# Altium PCB Xavier_NX_Carrier_Board_v1.1.PcbDoc (part 1 of 6) (continued)
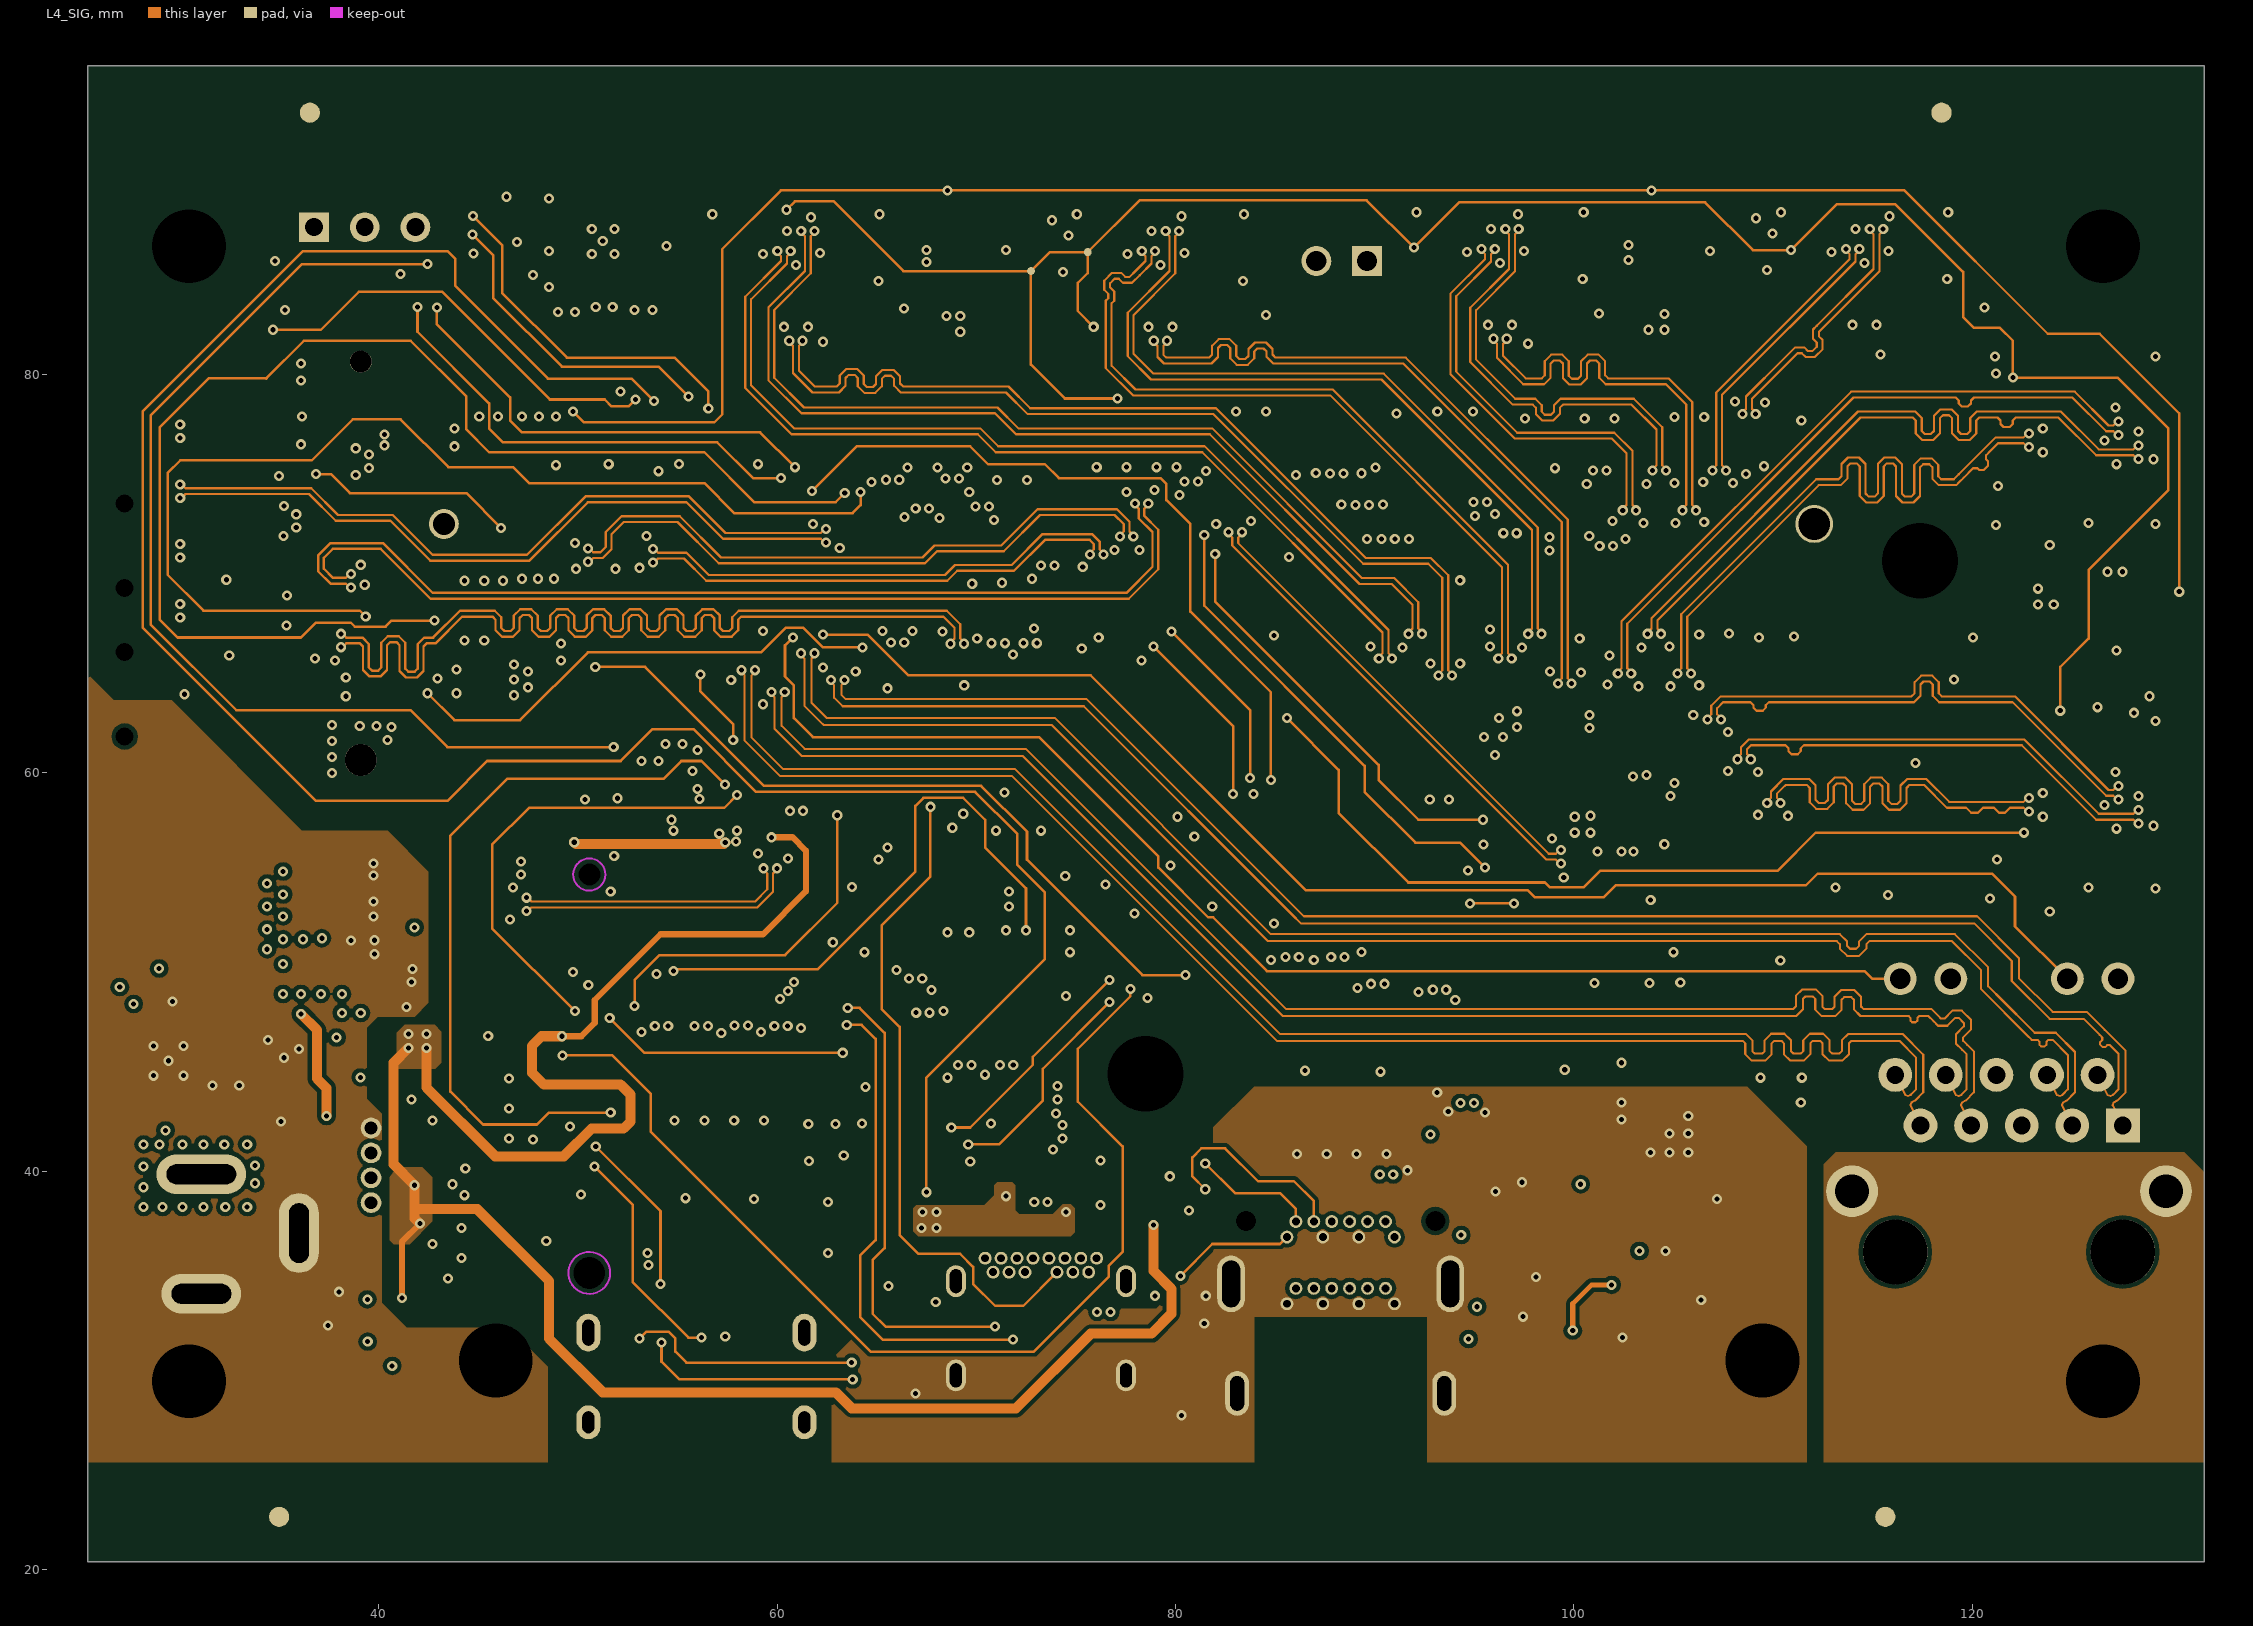
[diagram p4: L4_SIG]
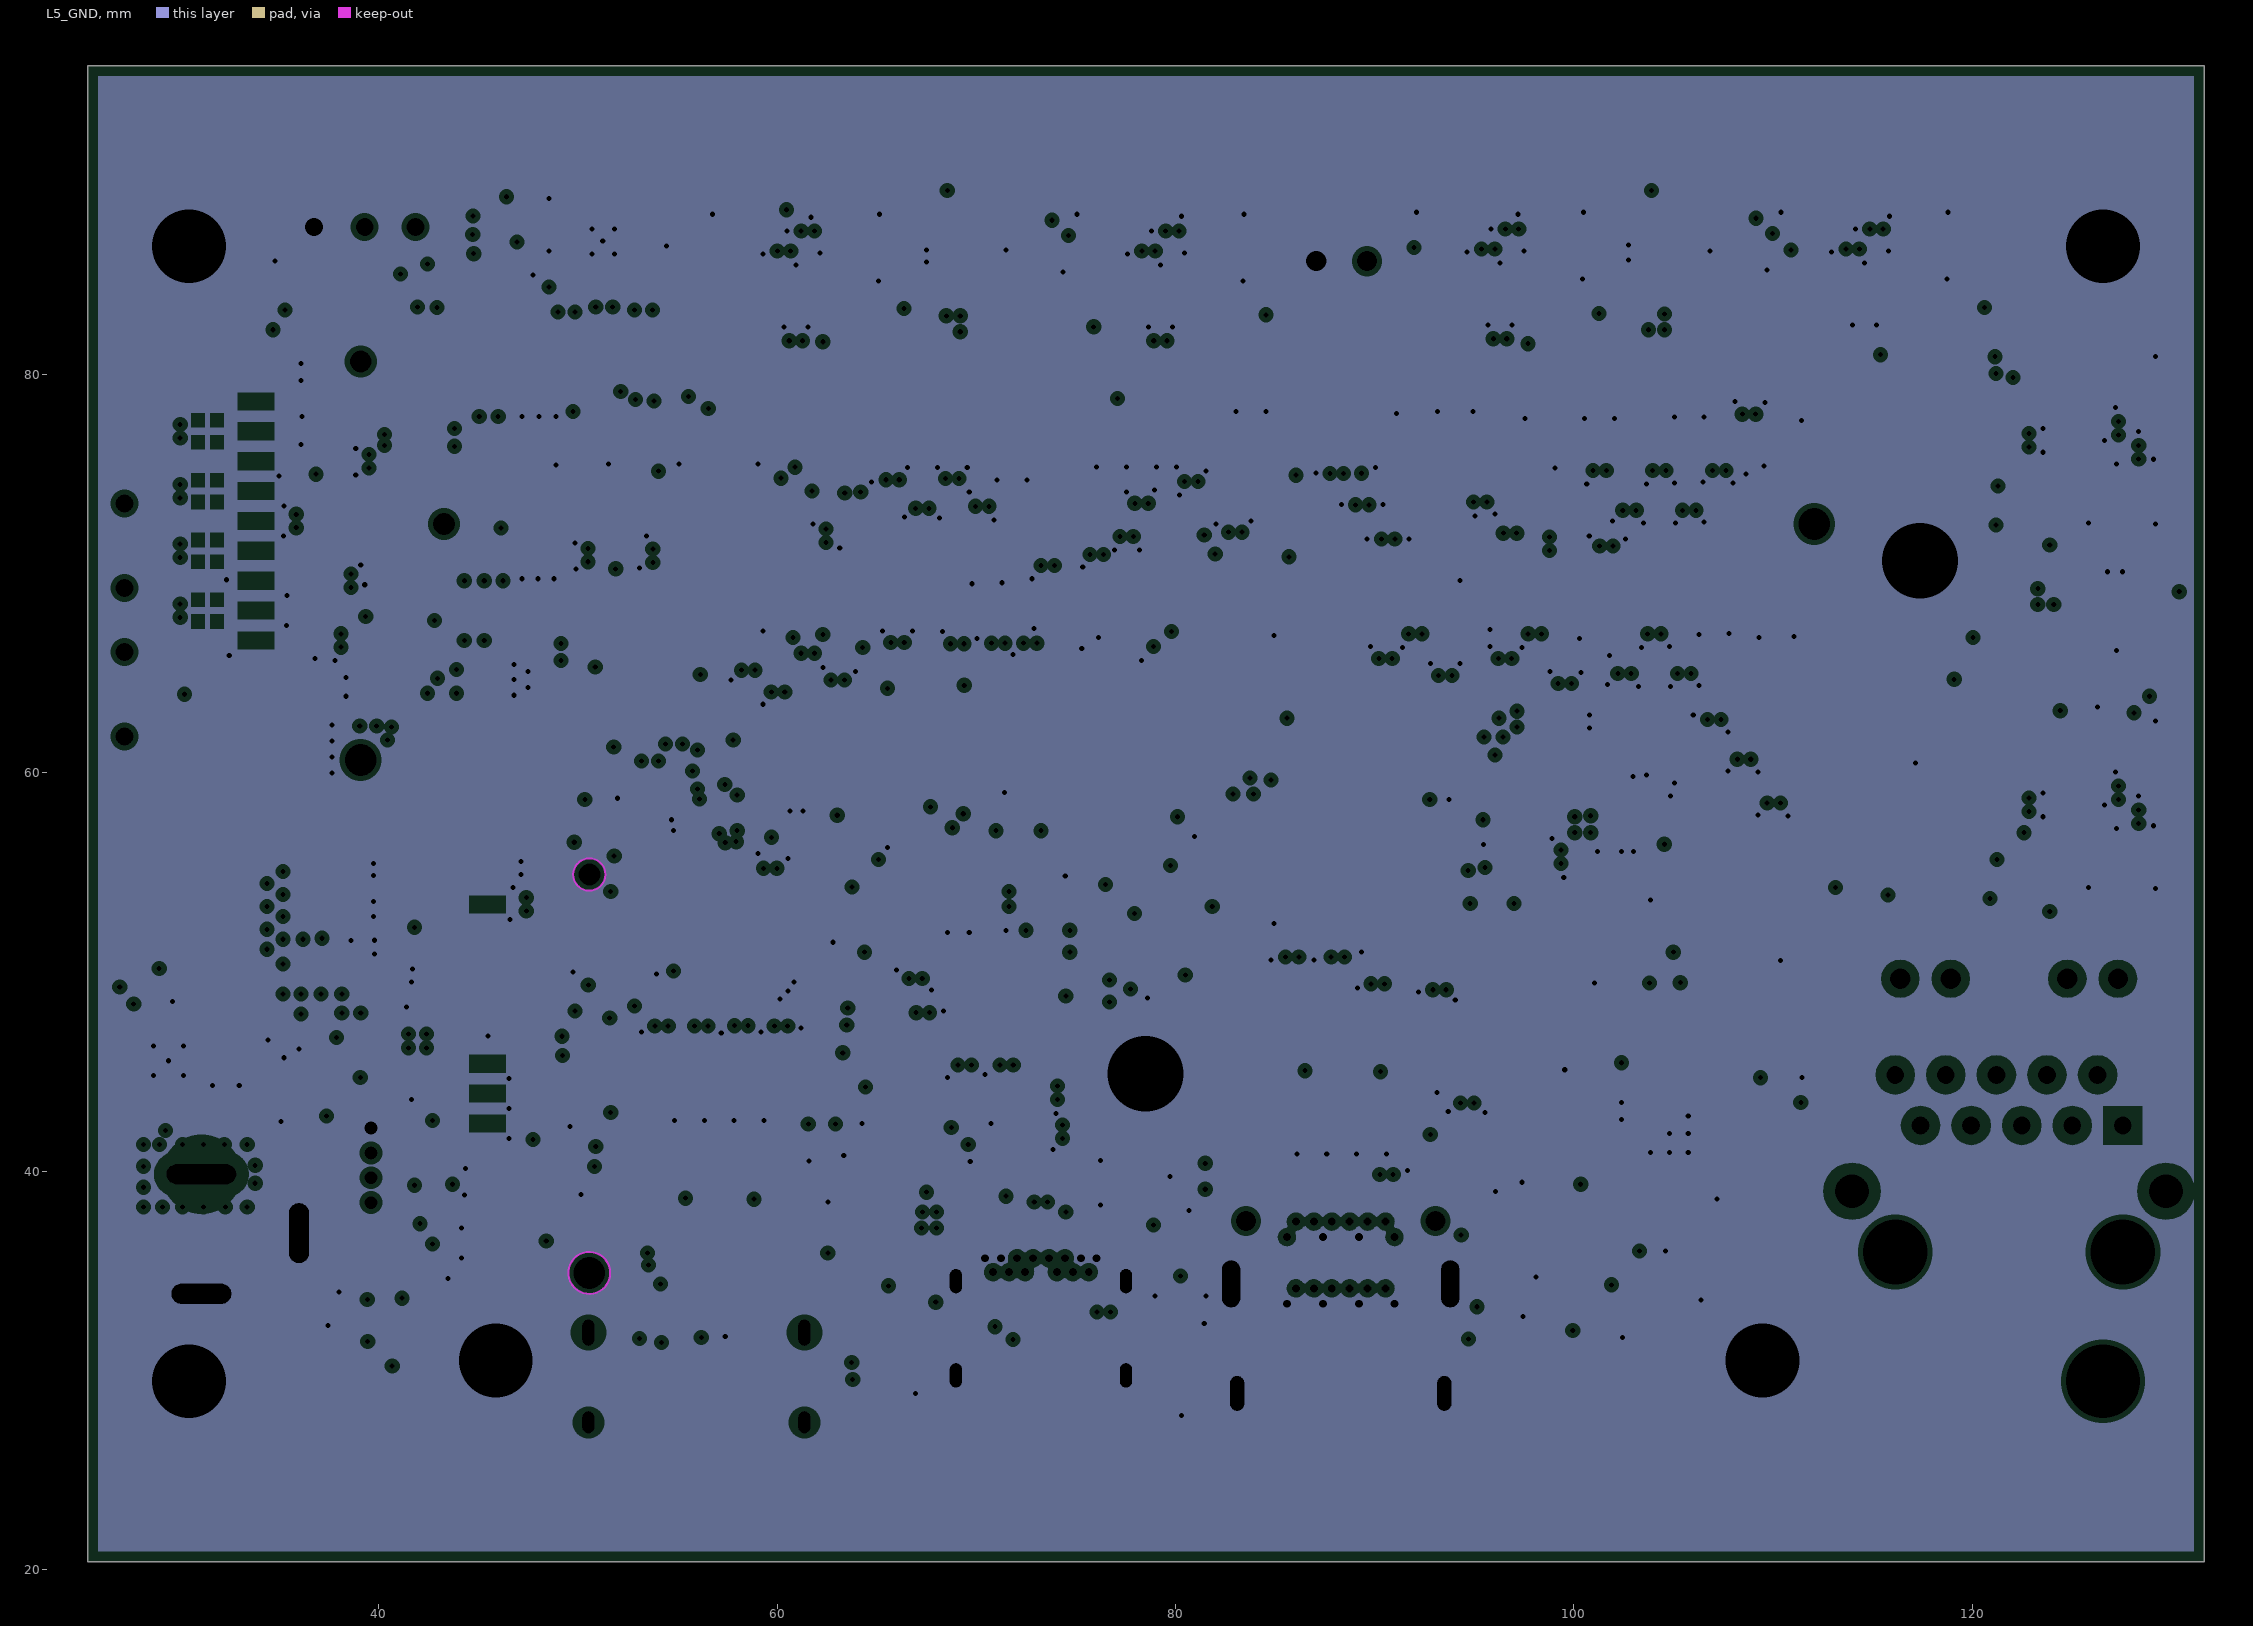
[diagram p5: L5_GND, clearances drawn from the general rule]
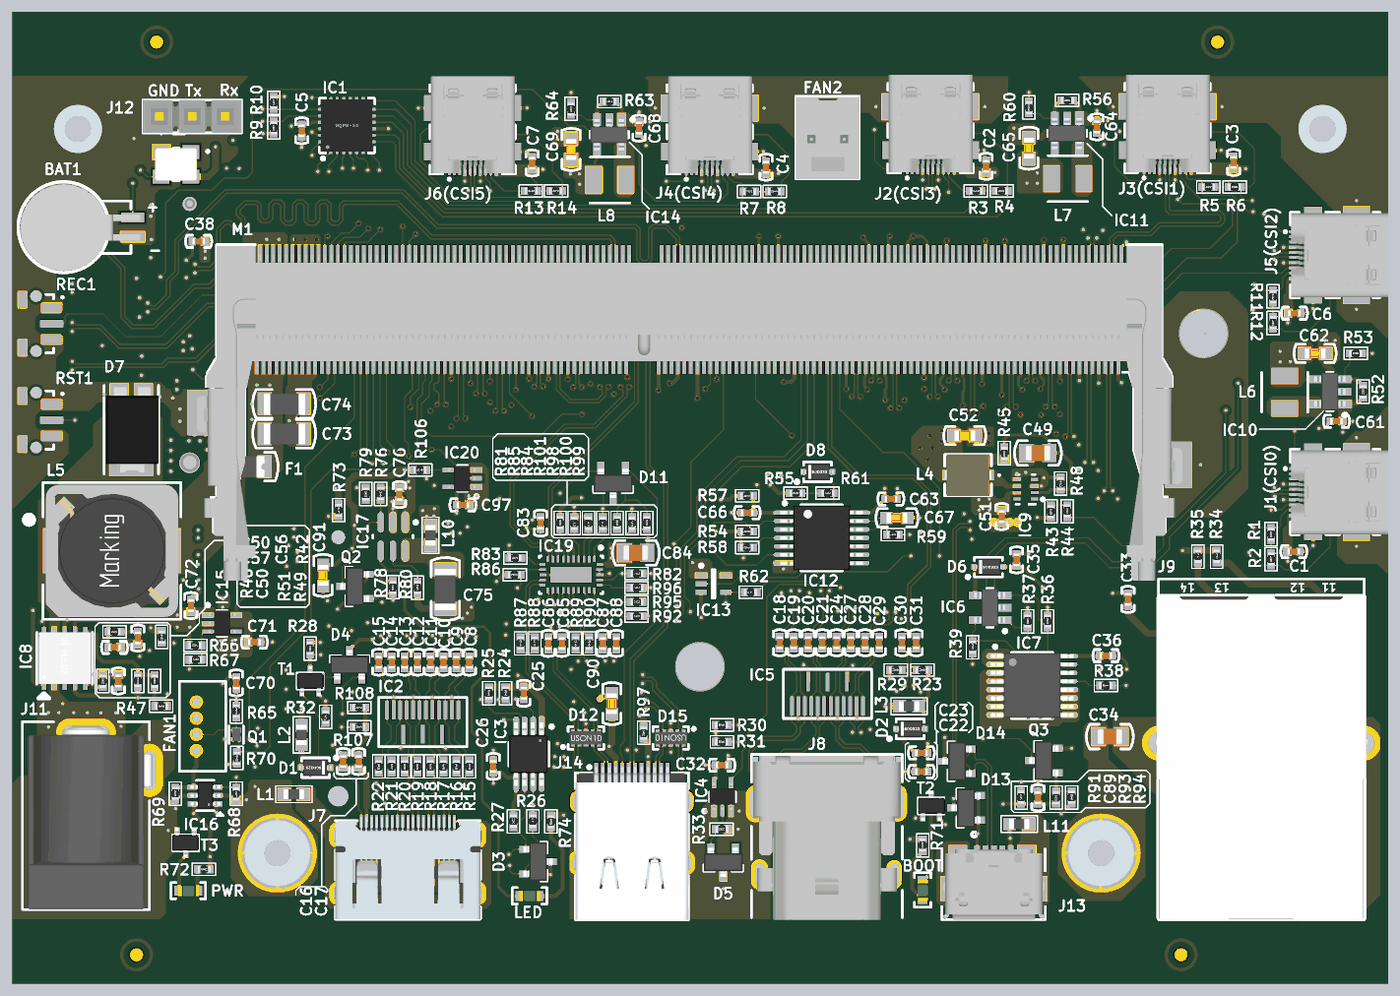
[diagram p11: 3D render of the assembled board from above, using the file's embedded part models]
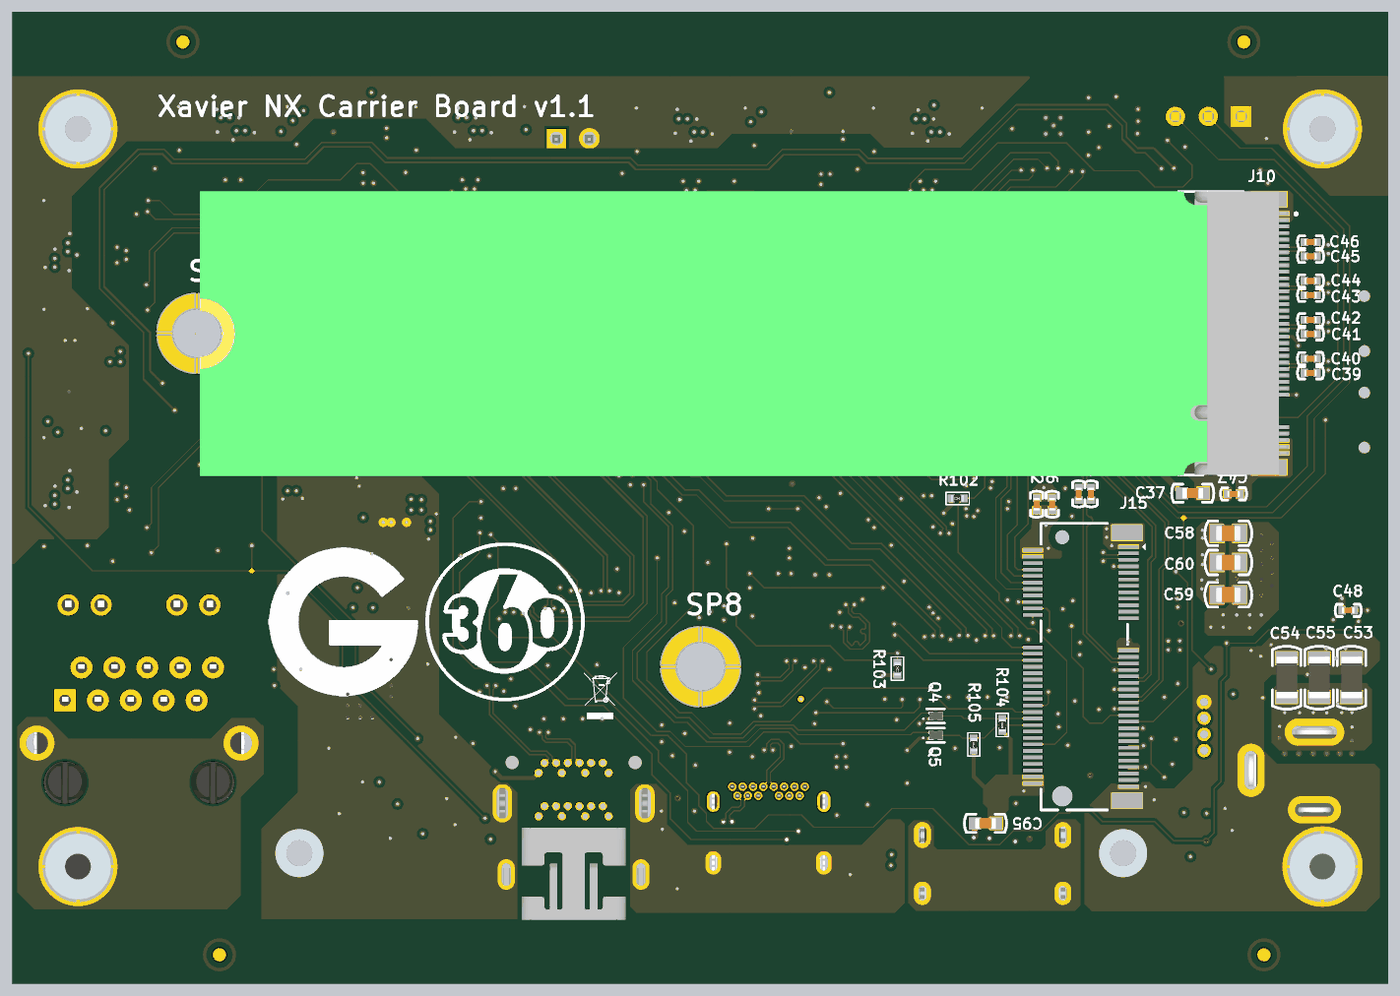
[diagram p12: 3D render of the assembled board from below, using the file's embedded part models]

## Layer stack, top to bottom
Top Solder: solder mask 0.0102, Solder Resist, Dk 3.5
TOP: signal copper 0.0305
Dielectric 1: prepreg 0.0686, PP-006, Dk 4.1
L2_GND: plane copper 0.0305, net GND
Dielectric 2: core 0.0737, Core-005, Dk 4.2
L3_PWR: plane copper 0.0305, net VDD_MOD
Dielectric4: core 0.2032, Composite dielectric, Dk 4.591
Dielectric 3: core 0.1778, Composite dielectric, Dk 4.591
L4_SIG: signal copper 0.0305
Dielectric 4: core 0.0737, Core-005, Dk 4.2
L5_GND: plane copper 0.0305, net GND
Dielectric 5: prepreg 0.1016, PP-014, Dk 4.2
BOTTOM: signal copper 0.0305
Bottom Solder: solder mask 0.0102, Solder Resist, Dk 3.5

## Board outline
25.4,25.4 25.4,90.5 25.4,95.5 131.65,95.5 131.65,90.5 131.65,25.4 131.65,20.4 25.4,20.4

## Design rules (kind name [scope] priority, off if disabled: settings)
Clearance poly [InPoly] p1: gap=0.203 ignorepadtopadclearanceinfootprint=FALSE
Clearance Clearance_1 [All] p2: gap=0.1 ignorepadtopadclearanceinfootprint=FALSE
ComponentClearance [All] p1: gap=0 collisioncheckmode=3 verticalgap=0 showdistances=FALSE
DiffPairsRouting DiffPair_85ohm [InDifferentialPairClass('DiffPair_85ohm')] p1: maxlimit=0.254 minlimit=0.102 mostfreqgap=0.173 toplayer_prefgap=0.165 toplayer_minwidth=0.102 toplayer_maxwidth=0.381 toplayer_prefwidth=0.114 midlayer3_minwidth=0.102 midlayer3_maxwidth=0.381 midlayer3_prefwidth=0.117 bottomlayer_prefgap=0.165 bottomlayer_minwidth=0.102 bottomlayer_maxwidth=0.381 bottomlayer_prefwidth=0.114 maxuncoupledlength=12.7
DiffPairsRouting DiffPair_90ohm [InDifferentialPairClass('DiffPair_90ohm')] p2: maxlimit=0.254 minlimit=0.102 mostfreqgap=0.185 toplayer_prefgap=0.178 toplayer_minwidth=0.102 toplayer_maxwidth=0.381 toplayer_prefwidth=0.107 midlayer3_minwidth=0.102 midlayer3_maxwidth=0.381 midlayer3_prefwidth=0.109 bottomlayer_prefgap=0.178 bottomlayer_minwidth=0.102 bottomlayer_maxwidth=0.381 bottomlayer_prefwidth=0.107 maxuncoupledlength=12.7
DiffPairsRouting DiffPair_100ohm [InDifferentialPairClass('DiffPair_100ohm')] p3: maxlimit=0.508 minlimit=0.102 mostfreqgap=0.305 toplayer_minwidth=0.102 toplayer_maxwidth=0.381 toplayer_prefwidth=0.104 midlayer3_prefgap=0.254 midlayer3_minwidth=0.102 midlayer3_maxwidth=0.381 midlayer3_prefwidth=0.104 bottomlayer_minwidth=0.102 bottomlayer_maxwidth=0.381 bottomlayer_prefwidth=0.104 maxuncoupledlength=12.7
HoleSize [All] p1: absolutevalues=TRUE maxlimit=25.4 minlimit=0 maxpercent=80.000 minpercent=20.000
MinimumSolderMaskSliver [All] p1: minsoldermaskwidth=0
PlaneClearance PlaneClearance_1 [All] p1: clearance=0.254
PlaneConnect [All] p1: planeconnectstyle=Direct reliefexpansion=0.508 reliefentries=4 reliefconductorwidth=0.254 reliefairgap=0.254
PolygonConnect [All] p1: connectstyle=Direct reliefconductorwidth=0.254 reliefentries=4 polygonreliefangle="90 Angle" airgapwidth=0.254
RoutingCorners [All] p1: cornerstyle=45-Degree minsetback=0.254 maxsetback=2.54
RoutingVias [All] p1: holewidth=0.635 width=1.27 viastyle="Through Hole" minholewidth=0.254 minwidth=0.508 maxholewidth=0.635 maxwidth=1.27
SilkToSilkClearance [All] p1: silktosilkclearance=0
SilkToSolderMaskClearance [IsPad] p1: minsilkscreentomaskgap=0 clearancetoexposedcopper=TRUE
SolderMaskExpansion [All] p1: expansion=0.102 istentingtop=FALSE
UnRoutedNet [All] p1: checkbadconnections=TRUE
Width Width_50ohm [All] p1: maxlimit=2.54 minlimit=0.102 preferedwidth=0.127 toplayer_prefwidth=0.102 bottomlayer_prefwidth=0.102 minimp=50.000000 maximp=50.000000 favimp=50.000000
20 further rules are at their usual default settings.

## Classes and differential pairs
differential pair class DiffPair_100ohm: ENET_TRD0 ENET_TRD1 ENET_TRD2 ENET_TRD3 TMDS_C1_CLK TMDS_C1_D0 TMDS_C1_D1 TMDS_C1_D2 TMDS_CLK TMDS_CLK_C TMDS_D0 TMDS_D0_C TMDS_D1 TMDS_D1_C TMDS_D2 TMDS_D2_C
differential pair class DiffPair_90ohm: C_USBSS_RX1 C_USBSS_RX2 C_USBSS_TX1 C_USBSS_TX2 CSI0_CLK CSI0_D0 CSI0_D1 CSI1_CLK CSI1_D0 CSI1_D1 CSI2_CLK CSI2_D0 CSI2_D1 CSI3_CLK CSI3_D0 CSI3_D1 CSI4_CLK CSI4_D0 CSI4_D1 CSI5_CLK CSI5_D0 CSI5_D1 DBG_USB_D OTG_USB_D USB1_D USB2_AP USBSS_RX1 USBSS_RX2 USBSS_RX6 USBSS_TX1 USBSS_TX2 USBSS_TX6
differential pair class DiffPair_85ohm: C_PCIE0_TX0 C_PCIE0_TX1 C_PCIE0_TX2 C_PCIE0_TX3 EDP0_TX EDP1_TX EDP2_TX EDP3_TX EDP_AUX EDP_AUX_C ML_C_LANE0 ML_C_LANE1 ML_C_LANE2 ML_C_LANE3 PCIE0_CLK PCIE0_RX0 PCIE0_RX1 PCIE0_RX2 PCIE0_RX3 PCIE0_TX0 PCIE0_TX1 PCIE0_TX2 PCIE0_TX3 PCIE1_M2_TX0 PCIE_CLK PCIE_RX0 PCIE_TX0
component class U_WIFI_BT: C91 C92 C93 C94 C95 C96 C97 IC20 J15 Q4 Q5 R102 R103 R104 R105 R106 SP8
component class U_USB: C75 C76 C83 C84 C85 C86 C87 C88 C89 C90 D11 D12 D13 D14 D15 IC17 IC19 J13 J14 L10 L11 LED Q2 Q3 R73 R74 R76 R78 R79 R80 R81 R82 R83 R84 R85 R86 R87 R88 R89 R90 R91 R92 R93 R94 R95 R96 R97 R98 R99 R100 R101
component class U_POWER: C48 C49 C50 C51 C52 C53 C54 C55 C56 C57 C58 C59 C60 C61 C62 C63 C64 C65 C66 C67 C68 C69 C70 C71 C72 D7 D8 FAN1 FAN2 IC8 IC9 IC10 IC11 IC12 IC13 IC14 IC15 IC16 J11 L4 L5 L6 L7 L8 Q1 R42 R43 R44 R45 R46 R47 R48 R49 R50 R51 R52 R53 R54 R55 R56 R57 R58 R59 R60 R61 R62 R63 R64 R65 R66 R67 R68 R69 R70
component class U_NVME: C37 C38 C39 C40 C41 C42 C43 C44 C45 C46 C47 J10 R40 SP1 Y1
component class U_ETHERNET: C33 C34 C35 C36 D6 IC6 IC7 J9 R34 R35 R36 R37 R38 R39
component class U_csi: C1 C2 C3 C4 C5 C6 C7 IC1 J1(CSI0) J2(CSI3) J3(CSI1) J4(CSI4) J5(CSI2) J6(CSI5) R1 R2 R3 R4 R5 R6 R7 R8 R9 R10 R11 R12 R13 R14
component class U_display: C8 C9 C10 C11 C12 C13 C14 C15 C16 C17 C18 C19 C20 C21 C22 C23 C24 C25 C26 C27 C28 C29 C30 C31 C32 D1 D2 D3 D4 D5 IC2 IC3 IC4 IC5 J7 J8 L1 L2 L3 R15 R16 R17 R18 R19 R20 R21 R22 R23 R24 R25 R26 R27 R28 R29 R30 R31 R32 R33 R107 R108 T1
component class U_SoM: BAT1 BOOT C73 C74 F1 J12 LOGO1 M1 MARK1 PWR R71 R72 REC1 RST1 SP2 SP3 SP4 SP5 SP6 SP7 T2 T3 TP39
differential pair PCIE0_RX2: +PCIE0_RX2_P -PCIE0_RX2_N
differential pair USB2_AP: +USB2_AP_P -USB2_AP_N
differential pair PCIE_TX0: +PCIE_TX0_P -PCIE_TX0_N
differential pair PCIE_RX0: +PCIE_RX0_P -PCIE_RX0_N
differential pair PCIE_CLK: +PCIE_CLK_P -PCIE_CLK_N
differential pair PCIE1_M2_TX0: +PCIE1_M2_TX0_P -PCIE1_M2_TX0_N
differential pair CSI5_D1: +CSI5_D1_P -CSI5_D1_N
differential pair CSI5_D0: +CSI5_D0_P -CSI5_D0_N
differential pair CSI5_CLK: +CSI5_CLK_P -CSI5_CLK_N
differential pair CSI4_D1: +CSI4_D1_P -CSI4_D1_N
differential pair CSI4_D0: +CSI4_D0_P -CSI4_D0_N
differential pair CSI4_CLK: +CSI4_CLK_P -CSI4_CLK_N
differential pair CSI3_D1: +CSI3_D1_P -CSI3_D1_N
differential pair CSI3_D0: +CSI3_D0_P -CSI3_D0_N
differential pair CSI3_CLK: +CSI3_CLK_P -CSI3_CLK_N
differential pair CSI2_D1: +CSI2_D1_P -CSI2_D1_N
differential pair CSI2_D0: +CSI2_D0_P -CSI2_D0_N
differential pair CSI2_CLK: +CSI2_CLK_P -CSI2_CLK_N
differential pair CSI1_D1: +CSI1_D1_P -CSI1_D1_N
differential pair CSI1_D0: +CSI1_D0_P -CSI1_D0_N
differential pair CSI1_CLK: +CSI1_CLK_P -CSI1_CLK_N
differential pair CSI0_D1: +CSI0_D1_P -CSI0_D1_N
differential pair CSI0_D0: +CSI0_D0_P -CSI0_D0_N
differential pair CSI0_CLK: +CSI0_CLK_P -CSI0_CLK_N
differential pair C_PCIE0_TX3: +C_PCIE0_TX3_P -C_PCIE0_TX3_N
differential pair C_PCIE0_TX2: +C_PCIE0_TX2_P -C_PCIE0_TX2_N
differential pair C_PCIE0_TX1: +C_PCIE0_TX1_P -C_PCIE0_TX1_N
differential pair C_PCIE0_TX0: +C_PCIE0_TX0_P -C_PCIE0_TX0_N
differential pair C_USBSS_RX1: +C_USBSS_RX1_P -C_USBSS_RX1_N
differential pair C_USBSS_RX2: +C_USBSS_RX2_P -C_USBSS_RX2_N
differential pair C_USBSS_TX1: +C_USBSS_TX1_P -C_USBSS_TX1_N
differential pair C_USBSS_TX2: +C_USBSS_TX2_P -C_USBSS_TX2_N
differential pair EDP0_TX: +EDP0_TX_P -EDP0_TX_N
differential pair EDP1_TX: +EDP1_TX_P -EDP1_TX_N
differential pair EDP2_TX: +EDP2_TX_P -EDP2_TX_N
differential pair EDP3_TX: +EDP3_TX_P -EDP3_TX_N
differential pair EDP_AUX_C: +EDP_AUX_C_P -EDP_AUX_C_N
differential pair EDP_AUX: +EDP_AUX_P -EDP_AUX_N
differential pair ENET_TRD0: +ENET_TRD0_P -ENET_TRD0_N
differential pair ENET_TRD1: +ENET_TRD1_P -ENET_TRD1_N
differential pair ENET_TRD2: +ENET_TRD2_P -ENET_TRD2_N
differential pair ENET_TRD3: +ENET_TRD3_P -ENET_TRD3_N
differential pair ML_C_LANE0: +ML_C_LANE0_P -ML_C_LANE0_N
differential pair ML_C_LANE1: +ML_C_LANE1_P -ML_C_LANE1_N
differential pair ML_C_LANE2: +ML_C_LANE2_P -ML_C_LANE2_N
differential pair ML_C_LANE3: +ML_C_LANE3_P -ML_C_LANE3_N
differential pair OTG_USB_D: +OTG_USB_D_P -OTG_USB_D_N
differential pair PCIE0_CLK: +PCIE0_CLK_P -PCIE0_CLK_N
differential pair PCIE0_RX0: +PCIE0_RX0_P -PCIE0_RX0_N
differential pair PCIE0_RX1: +PCIE0_RX1_P -PCIE0_RX1_N
differential pair PCIE0_RX3: +PCIE0_RX3_P -PCIE0_RX3_N
differential pair PCIE0_TX0: +PCIE0_TX0_P -PCIE0_TX0_N
differential pair PCIE0_TX1: +PCIE0_TX1_P -PCIE0_TX1_N
differential pair PCIE0_TX2: +PCIE0_TX2_P -PCIE0_TX2_N
differential pair PCIE0_TX3: +PCIE0_TX3_P -PCIE0_TX3_N
differential pair TMDS_C1_CLK: +TMDS_C1_CLK_P -TMDS_C1_CLK_N
differential pair TMDS_C1_D0: +TMDS_C1_D0_P -TMDS_C1_D0_N
differential pair TMDS_C1_D1: +TMDS_C1_D1_P -TMDS_C1_D1_N
differential pair TMDS_C1_D2: +TMDS_C1_D2_P -TMDS_C1_D2_N
differential pair TMDS_CLK_C: +TMDS_CLK_C_P -TMDS_CLK_C_N
differential pair TMDS_CLK: +TMDS_CLK_P -TMDS_CLK_N
differential pair TMDS_D0_C: +TMDS_D0_C_P -TMDS_D0_C_N
differential pair TMDS_D0: +TMDS_D0_P -TMDS_D0_N
differential pair TMDS_D1_C: +TMDS_D1_C_P -TMDS_D1_C_N
differential pair TMDS_D1: +TMDS_D1_P -TMDS_D1_N
differential pair TMDS_D2_C: +TMDS_D2_C_P -TMDS_D2_C_N
differential pair TMDS_D2: +TMDS_D2_P -TMDS_D2_N
differential pair USB1_D: +USB1_D_P -USB1_D_N
differential pair USBSS_RX1: +USBSS_RX1_P -USBSS_RX1_N
differential pair USBSS_RX2: +USBSS_RX2_P -USBSS_RX2_N
differential pair USBSS_RX6: +USBSS_RX6_P -USBSS_RX6_N
differential pair USBSS_TX1: +USBSS_TX1_P -USBSS_TX1_N
differential pair USBSS_TX2: +USBSS_TX2_P -USBSS_TX2_N
differential pair USBSS_TX6: +USBSS_TX6_P -USBSS_TX6_N

## Components (designator, comment, footprint, x,y, rotation, side; value= is the part's Value field where it differs from the comment)
BAT1 "MS621FE-FL11E" MS621FE-FL11E 34.7,78.85 r90 top